# KiCad board JL-rev1.kicad_pcb (continued)
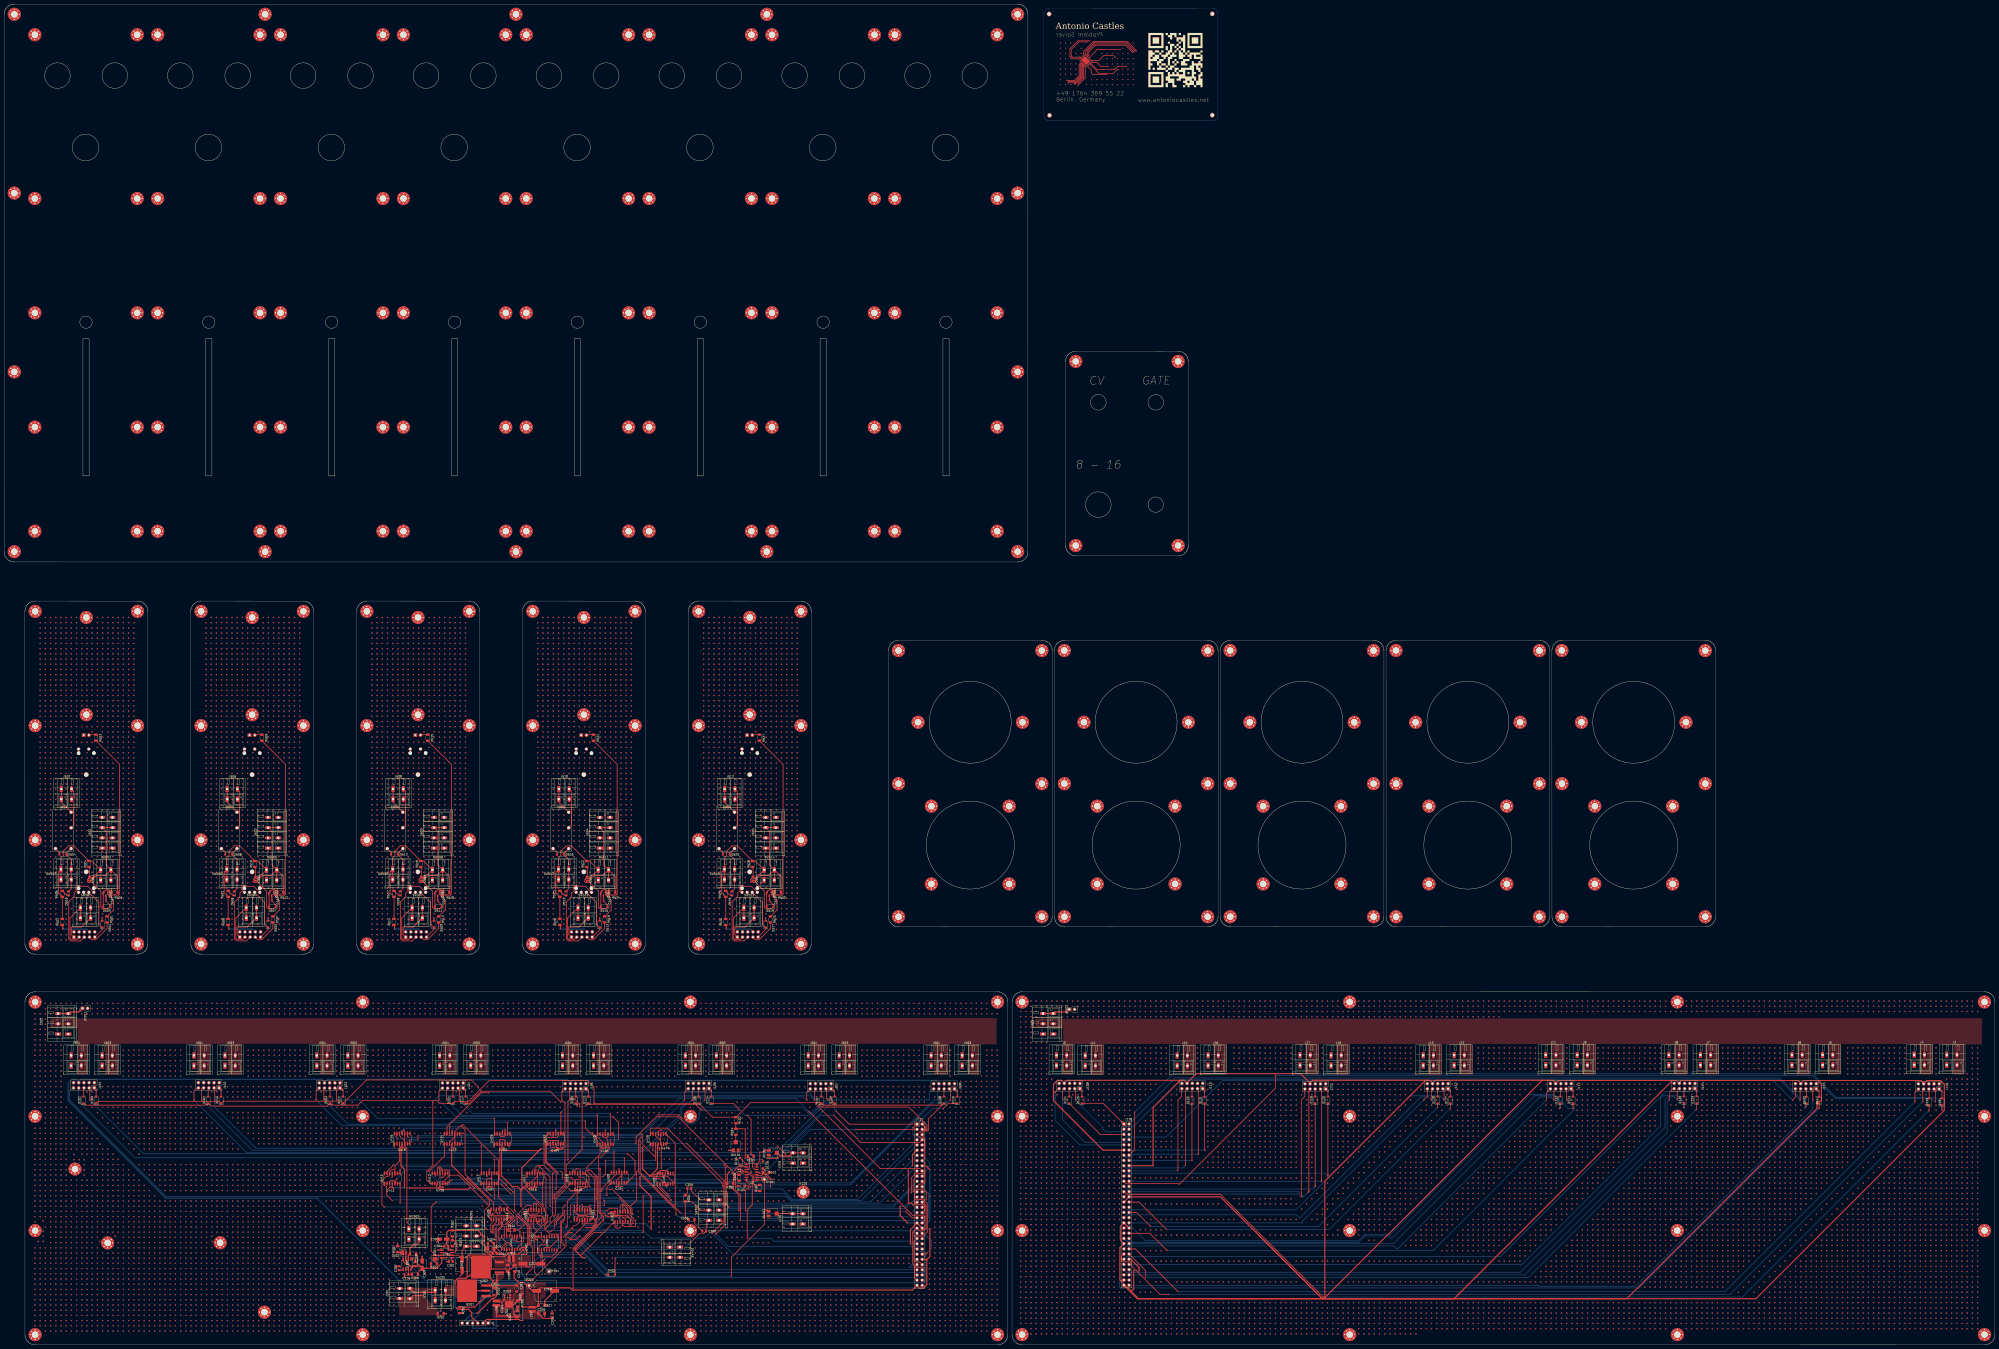
[diagram p0: board, top side]
## Placement (name value [footprint] x y rotation side) (continued)
H213  MountingHole  [MountingHole_3.2mm_M3_Pad_Via]  494.98 387.47 0 top
H214  MountingHole  [MountingHole_3.2mm_M3_Pad_Via]  127.48 649.97 0 top
H215  MountingHole  [MountingHole_3.2mm_M3_Pad_Via]  249.98 649.97 0 top
H216  MountingHole  [MountingHole_3.2mm_M3_Pad_Via]  372.48 649.97 0 top
H218  MountingHole  [MountingHole_3.2mm_M3_Pad_Via]  75.01 639.98 0 top
H219  MountingHole  [MountingHole_3.2mm_M3_Pad_Via]  125.01 639.98 0 top
H220  MountingHole  [MountingHole_3.2mm_M3_Pad_Via]  135.01 639.98 0 top
H221  MountingHole  [MountingHole_3.2mm_M3_Pad_Via]  185.01 639.98 0 top
H222  MountingHole  [MountingHole_3.2mm_M3_Pad_Via]  195.01 639.98 0 top
H223  MountingHole  [MountingHole_3.2mm_M3_Pad_Via]  245.01 639.98 0 top
H224  MountingHole  [MountingHole_3.2mm_M3_Pad_Via]  255.01 639.98 0 top
H225  MountingHole  [MountingHole_3.2mm_M3_Pad_Via]  305.01 639.98 0 top
H226  MountingHole  [MountingHole_3.2mm_M3_Pad_Via]  315.01 639.98 0 top
H227  MountingHole  [MountingHole_3.2mm_M3_Pad_Via]  365.01 639.98 0 top
H228  MountingHole  [MountingHole_3.2mm_M3_Pad_Via]  375.01 639.98 0 top
H229  MountingHole  [MountingHole_3.2mm_M3_Pad_Via]  425.01 639.98 0 top
H230  MountingHole  [MountingHole_3.2mm_M3_Pad_Via]  435.01 639.98 0 top
H231  MountingHole  [MountingHole_3.2mm_M3_Pad_Via]  485.01 639.98 0 top
H233  MountingHole  [MountingHole_3.2mm_M3_Pad_Via]  517.81 209.15 0 top
H234  MountingHole  [MountingHole_3.2mm_M3_Pad_Via]  587.81 209.15 0 top
H235  MountingHole  [MountingHole_3.2mm_M3_Pad_Via]  533.86 225.15 0 top
H236  MountingHole  [MountingHole_3.2mm_M3_Pad_Via]  571.86 225.15 0 top
H237  MountingHole  [MountingHole_3.2mm_M3_Pad_Via]  533.86 263.15 0 top
H238  MountingHole  [MountingHole_3.2mm_M3_Pad_Via]  571.86 263.15 0 top
H239  MountingHole  [MountingHole_3.2mm_M3_Pad_Via]  517.81 274.15 0 top
H240  MountingHole  [MountingHole_3.2mm_M3_Pad_Via]  587.81 274.15 0 top
H241  MountingHole  [MountingHole_3.2mm_M3_Pad_Via]  527.36 304.15 0 top
H242  MountingHole  [MountingHole_3.2mm_M3_Pad_Via]  578.36 304.15 0 top
H243  MountingHole  [MountingHole_3.2mm_M3_Pad_Via]  587.81 339.15 0 top
H244  MountingHole  [MountingHole_3.2mm_M3_Pad_Via]  517.76 339.21 0 top
H245  MountingHole  [MountingHole_3.2mm_M3_Pad_Via]  598.81 209.15 0 top
H246  MountingHole  [MountingHole_3.2mm_M3_Pad_Via]  668.81 209.15 0 top
H247  MountingHole  [MountingHole_3.2mm_M3_Pad_Via]  614.86 225.15 0 top
H248  MountingHole  [MountingHole_3.2mm_M3_Pad_Via]  652.86 225.15 0 top
H249  MountingHole  [MountingHole_3.2mm_M3_Pad_Via]  614.86 263.15 0 top
H250  MountingHole  [MountingHole_3.2mm_M3_Pad_Via]  652.86 263.15 0 top
H251  MountingHole  [MountingHole_3.2mm_M3_Pad_Via]  598.81 274.15 0 top
H252  MountingHole  [MountingHole_3.2mm_M3_Pad_Via]  668.81 274.15 0 top
H253  MountingHole  [MountingHole_3.2mm_M3_Pad_Via]  608.36 304.15 0 top
H254  MountingHole  [MountingHole_3.2mm_M3_Pad_Via]  659.36 304.15 0 top
H255  MountingHole  [MountingHole_3.2mm_M3_Pad_Via]  668.81 339.15 0 top
H256  MountingHole  [MountingHole_3.2mm_M3_Pad_Via]  598.76 339.21 0 top
H257  MountingHole  [MountingHole_3.2mm_M3_Pad_Via]  679.81 209.15 0 top
H258  MountingHole  [MountingHole_3.2mm_M3_Pad_Via]  749.81 209.15 0 top
H259  MountingHole  [MountingHole_3.2mm_M3_Pad_Via]  695.86 225.15 0 top
H260  MountingHole  [MountingHole_3.2mm_M3_Pad_Via]  733.86 225.15 0 top
H261  MountingHole  [MountingHole_3.2mm_M3_Pad_Via]  695.86 263.15 0 top
H262  MountingHole  [MountingHole_3.2mm_M3_Pad_Via]  733.86 263.15 0 top
H263  MountingHole  [MountingHole_3.2mm_M3_Pad_Via]  679.81 274.15 0 top
H264  MountingHole  [MountingHole_3.2mm_M3_Pad_Via]  749.81 274.15 0 top
H265  MountingHole  [MountingHole_3.2mm_M3_Pad_Via]  689.36 304.15 0 top
H266  MountingHole  [MountingHole_3.2mm_M3_Pad_Via]  740.36 304.15 0 top
H267  MountingHole  [MountingHole_3.2mm_M3_Pad_Via]  749.81 339.15 0 top
H268  MountingHole  [MountingHole_3.2mm_M3_Pad_Via]  679.76 339.21 0 top
H269  MountingHole  [MountingHole_3.2mm_M3_Pad_Via]  760.81 209.15 0 top
H270  MountingHole  [MountingHole_3.2mm_M3_Pad_Via]  830.81 209.15 0 top
H271  MountingHole  [MountingHole_3.2mm_M3_Pad_Via]  776.86 225.15 0 top
H272  MountingHole  [MountingHole_3.2mm_M3_Pad_Via]  814.86 225.15 0 top
H273  MountingHole  [MountingHole_3.2mm_M3_Pad_Via]  776.86 263.15 0 top
H274  MountingHole  [MountingHole_3.2mm_M3_Pad_Via]  814.86 263.15 0 top
H275  MountingHole  [MountingHole_3.2mm_M3_Pad_Via]  760.81 274.15 0 top
H276  MountingHole  [MountingHole_3.2mm_M3_Pad_Via]  830.81 274.15 0 top
H277  MountingHole  [MountingHole_3.2mm_M3_Pad_Via]  770.36 304.15 0 top
H278  MountingHole  [MountingHole_3.2mm_M3_Pad_Via]  821.36 304.15 0 top
H279  MountingHole  [MountingHole_3.2mm_M3_Pad_Via]  830.81 339.15 0 top
H280  MountingHole  [MountingHole_3.2mm_M3_Pad_Via]  760.76 339.21 0 top
H405  MountingHole  [MountingHole_3.2mm_M3_Pad_Via]  127.13 16 0 top
H407  MountingHole  [MountingHole_3.2mm_M3_Pad_Via]  34.63 85.9 0 top
H408  MountingHole  [MountingHole_3.2mm_M3_Pad_Via]  105.53 49.9 0 top
J1  Conn_01x06_Pin  [PinHeader_1x06_P2.54mm_Vertical]  236.44 10.63 270 top
J2  Screw_Terminal_01x02  [TerminalBlock_WAGO_236-402_1x02_P5.00mm_45Degree]  513.94 141.46 0 top
J3  Screw_Terminal_01x02  [TerminalBlock_WAGO_236-402_1x02_P5.00mm_45Degree]  948.74 141.76 0 top
J4  Screw_Terminal_01x02  [TerminalBlock_WAGO_236-402_1x02_P5.00mm_45Degree]  932.84 141.76 0 top
J5  Screw_Terminal_01x02  [TerminalBlock_WAGO_236-402_1x02_P5.00mm_45Degree]  888.09 141.66 0 top
J6  Screw_Terminal_01x02  [TerminalBlock_WAGO_236-402_1x02_P5.00mm_45Degree]  873.14 141.66 0 top
J7  Screw_Terminal_01x02  [TerminalBlock_WAGO_236-402_1x02_P5.00mm_45Degree]  828.44 141.66 0 top
J8  Screw_Terminal_01x02  [TerminalBlock_WAGO_236-402_1x02_P5.00mm_45Degree]  813.04 141.66 0 top
J9  Screw_Terminal_01x02  [TerminalBlock_WAGO_236-402_1x02_P5.00mm_45Degree]  768.24 141.66 0 top
J10  Screw_Terminal_01x02  [TerminalBlock_WAGO_236-402_1x02_P5.00mm_45Degree]  648.04 141.46 0 top
J11  Screw_Terminal_01x02  [TerminalBlock_WAGO_236-402_1x02_P5.00mm_45Degree]  752.89 141.66 0 top
J12  Screw_Terminal_01x02  [TerminalBlock_WAGO_236-402_1x02_P5.00mm_45Degree]  708.14 141.56 0 top
J13  Screw_Terminal_01x02  [TerminalBlock_WAGO_236-402_1x02_P5.00mm_45Degree]  693.04 141.46 0 top
J14  Screw_Terminal_01x02  [TerminalBlock_WAGO_236-402_1x02_P5.00mm_45Degree]  527.99 141.36 0 top
J15  Screw_Terminal_01x02  [TerminalBlock_WAGO_236-402_1x02_P5.00mm_45Degree]  572.89 141.36 0 top
J16  Screw_Terminal_01x02  [TerminalBlock_WAGO_236-402_1x02_P5.00mm_45Degree]  587.99 141.46 0 top
J17  Screw_Terminal_01x02  [TerminalBlock_WAGO_236-402_1x02_P5.00mm_45Degree]  632.89 141.56 0 top
J101  Conn_01x10  [PinSocket_2x05_P2.54mm_Vertical]  44.08 125.55 270 top
J102  Conn_01x10  [PinSocket_2x05_P2.54mm_Vertical]  105.08 125.55 270 top
J103  Conn_01x10  [PinSocket_2x05_P2.54mm_Vertical]  164.08 125.45 270 top
J104  Conn_01x10  [PinSocket_2x05_P2.54mm_Vertical]  224.24 125.41 270 top
J105  Conn_01x10  [PinSocket_2x05_P2.54mm_Vertical]  284.18 125.11 270 top
J106  Conn_01x10  [PinSocket_2x05_P2.54mm_Vertical]  344.28 125.21 270 top
J107  Conn_01x10  [PinSocket_2x05_P2.54mm_Vertical]  403.88 125.05 270 top
J108  Conn_01x10  [PinSocket_2x05_P2.54mm_Vertical]  464.16 125.05 270 top
J109  Conn_01x10  [PinSocket_2x05_P2.54mm_Vertical]  525.41 125.18 270 top
J110  Conn_01x10  [PinSocket_2x05_P2.54mm_Vertical]  585.37 125.18 270 top
J111  Conn_01x10  [PinSocket_2x05_P2.54mm_Vertical]  645.43 124.98 270 top
J112  Conn_01x10  [PinSocket_2x05_P2.54mm_Vertical]  705.21 125.08 270 top
J113  Conn_01x10  [PinSocket_2x05_P2.54mm_Vertical]  765.35 125.08 270 top
J114  Conn_01x10  [PinSocket_2x05_P2.54mm_Vertical]  825.8 125.19 270 top
J115  Conn_01x10  [PinSocket_2x05_P2.54mm_Vertical]  885 125.09 270 top
J116  Conn_01x10  [PinSocket_2x05_P2.54mm_Vertical]  945.07 124.98 270 top
J117  Conn_02x32_Odd_Even  [PinHeader_2x32_P2.54mm_Vertical]  445.84 107.82 0 top
J118  Conn_02x32_Odd_Even  [PinHeader_2x32_P2.54mm_Vertical]  546.87 107.89 0 top
J119  AudioJack2  [TerminalBlock_WAGO_236-402_1x02_P5.00mm_45Degree]  385.19 88.8 90 top
J120  AudioJack2  [TerminalBlock_WAGO_236-402_1x02_P5.00mm_45Degree]  385.04 59.07 90 top
J201  Screw_Terminal_01x02  [TerminalBlock_WAGO_236-402_1x02_P5.00mm_45Degree]  193.19 22.6 90 top
J202  Screw_Terminal_01x03  [TerminalBlock_WAGO_236-403_1x03_P5.00mm_45Degree]  26.35 151.84 90 top
J203  Screw_Terminal_01x03  [TerminalBlock_WAGO_236-403_1x03_P5.00mm_45Degree]  507.38 151.87 90 top
J501  Conn_01x10  [PinSocket_2x05_P2.54mm_Vertical]  34.1 199.2 270 bottom
J502  Screw_Terminal_01x02  [TerminalBlock_WAGO_236-402_1x02_P5.00mm_45Degree]  27.93 271.58 0 top
J503  Screw_Terminal_01x02  [TerminalBlock_WAGO_236-402_1x02_P5.00mm_45Degree]  287.87 141.4 0 top
J503#2  Screw_Terminal_01x02  [TerminalBlock_WAGO_236-402_1x02_P5.00mm_45Degree]  347.87 141.4 0 top
J503#3  Screw_Terminal_01x02  [TerminalBlock_WAGO_236-402_1x02_P5.00mm_45Degree]  467.87 141.4 0 top
J503#4  Screw_Terminal_01x02  [TerminalBlock_WAGO_236-402_1x02_P5.00mm_45Degree]  407.87 141.4 0 top
J503#5  Screw_Terminal_01x02  [TerminalBlock_WAGO_236-402_1x02_P5.00mm_45Degree]  47.87 141.4 0 top
J503#6  Screw_Terminal_01x02  [TerminalBlock_WAGO_236-402_1x02_P5.00mm_45Degree]  107.87 141.4 0 top
J503#7  Screw_Terminal_01x02  [TerminalBlock_WAGO_236-402_1x02_P5.00mm_45Degree]  227.87 141.4 0 top
J503#8  Screw_Terminal_01x02  [TerminalBlock_WAGO_236-402_1x02_P5.00mm_45Degree]  167.87 141.4 0 top
J504  Screw_Terminal_01x02  [TerminalBlock_WAGO_236-402_1x02_P5.00mm_45Degree]  452.72 141.4 0 top
J504#2  Screw_Terminal_01x02  [TerminalBlock_WAGO_236-402_1x02_P5.00mm_45Degree]  212.72 141.4 0 top
J504#3  Screw_Terminal_01x02  [TerminalBlock_WAGO_236-402_1x02_P5.00mm_45Degree]  332.72 141.4 0 top
J504#4  Screw_Terminal_01x02  [TerminalBlock_WAGO_236-402_1x02_P5.00mm_45Degree]  92.72 141.4 0 top
J504#5  Screw_Terminal_01x02  [TerminalBlock_WAGO_236-402_1x02_P5.00mm_45Degree]  32.72 141.4 0 top
J504#6  Screw_Terminal_01x02  [TerminalBlock_WAGO_236-402_1x02_P5.00mm_45Degree]  152.72 141.4 0 top
J504#7  Screw_Terminal_01x02  [TerminalBlock_WAGO_236-402_1x02_P5.00mm_45Degree]  272.72 141.4 0 top
J504#8  Screw_Terminal_01x02  [TerminalBlock_WAGO_236-402_1x02_P5.00mm_45Degree]  392.72 141.4 0 top
J505  Conn_01x10  [PinSocket_2x05_P2.54mm_Vertical]  115.1 199.2 270 bottom
J506  Screw_Terminal_01x02  [TerminalBlock_WAGO_236-402_1x02_P5.00mm_45Degree]  108.93 271.58 0 top
J507  Conn_01x10  [PinSocket_2x05_P2.54mm_Vertical]  196.1 199.2 270 bottom
J508  Screw_Terminal_01x02  [TerminalBlock_WAGO_236-402_1x02_P5.00mm_45Degree]  189.93 271.58 0 top
J509  Conn_01x10  [PinSocket_2x05_P2.54mm_Vertical]  277.1 199.2 270 bottom
J510  Screw_Terminal_01x02  [TerminalBlock_WAGO_236-402_1x02_P5.00mm_45Degree]  270.93 271.58 0 top
J511  Conn_01x10  [PinSocket_2x05_P2.54mm_Vertical]  358.1 199.2 270 bottom
J512  Screw_Terminal_01x02  [TerminalBlock_WAGO_236-402_1x02_P5.00mm_45Degree]  351.93 271.58 0 top
JP201  Jumper_2_Open  [PinHeader_1x02_P2.54mm_Vertical]  38.23 164.39 90 top
JP202  Jumper_2_Open  [PinHeader_1x02_P2.54mm_Vertical]  520.25 163.88 90 top
K501  ALQ305  [RELAY_ALQ3_PAN]  27.66 250.06 180 top
K502  ALQ305  [RELAY_ALQ3_PAN]  108.66 250.06 180 top
K503  ALQ305  [RELAY_ALQ3_PAN]  189.66 250.06 180 top
K504  ALQ305  [RELAY_ALQ3_PAN]  270.66 250.06 180 top
K505  ALQ305  [RELAY_ALQ3_PAN]  351.66 250.06 180 top
L201  4.7uH  [L_Wuerth_MAPI-3015]  240.44 20.39 270 top
L202  L  [L_Wuerth_MAPI-3015]  257.87 17.4 90 top
L203  L  [L_Wuerth_MAPI-3015]  247.69 42.03 0 top
Q201  IRF5305-Reverse-Polarity  [TO-263-3_TabPin2]  227.62 26.48 180 top
Q501  BC817  [SOT-23]  49.68 220.33 270 top
Q502  BC817  [SOT-23]  130.68 220.33 270 top
Q503  BC817  [SOT-23]  211.68 220.33 270 top
Q504  BC817  [SOT-23]  292.68 220.33 270 top
Q505  BC817  [SOT-23]  373.68 220.33 270 top
R101  R_US  [R_1206_3216Metric]  371.96 84.23 180 top
R102  0R  [R_1206_3216Metric]  357.44 109.77 270 top
R103  R_US  [R_1206_3216Metric]  364.62 92.1 180 top
R104  0R  [R_1206_3216Metric]  357.34 104.12 90 top
R105  R_US  [R_1206_3216Metric]  354.64 78.8 180 top
R106  R_US  [R_1206_3216Metric]  358.89 81.62 270 top
R107  R_US  [R_1206_3216Metric]  369.04 76.68 90 top
R201  0  [R_1206_3216Metric]  213.23 15.25 180 top
R202  100K  [R_1206_3216Metric]  222.44 16.97 270 top
R203  R_US  [R_1206_3216Metric]  250.37 27.62 90 top
R204  R_US  [R_1206_3216Metric]  237.7 49.48 180 top
R205  R_US  [R_1206_3216Metric]  250.87 20.15 270 top
R301  R_US  [R_1206_3216Metric]  209.94 39.69 0 top
R302  R_US  [R_1206_3216Metric]  218.94 54.48 90 top
R303  R_US  [R_1206_3216Metric]  218.94 49.65 90 top
R304  R_US  [R_1206_3216Metric]  332.64 71.55 270 top
R305  R_US  [R_1206_3216Metric]  335.72 61.16 180 top
R306  R_US  [R_1206_3216Metric]  199.69 44.5 0 top
R307  R_US  [R_1206_3216Metric]  192.19 46.75 270 top
R308  R_US  [R_1206_3216Metric]  200.65 34.5 0 top
R401  R_US  [R_1206_3216Metric]  247.81 56.14 180 top
R501  R_US  [R_1206_3216Metric]  50.28 207.84 90 top
R502  R_US  [R_1206_3216Metric]  28.36 206.62 90 top
R503  R_US  [R_1206_3216Metric]  44.88 296.6 270 top
R504  R_US  [R_1206_3216Metric]  41.48 234.9 90 top
R505  R_US  [R_1206_3216Metric]  28.43 220.32 90 top
R506  R_US  [R_1206_3216Metric]  53.96 221.08 0 top
R507  R_US  [R_1206_3216Metric]  131.28 207.84 90 top
R508  R_US  [R_1206_3216Metric]  109.36 206.62 90 top
R509  R_US  [R_1206_3216Metric]  125.88 296.6 270 top
R510  R_US  [R_1206_3216Metric]  122.48 234.9 90 top
R511  R_US  [R_1206_3216Metric]  109.43 220.32 90 top
R512  R_US  [R_1206_3216Metric]  134.96 221.08 0 top
R513  R_US  [R_1206_3216Metric]  212.28 207.84 90 top
R514  R_US  [R_1206_3216Metric]  190.36 206.62 90 top
R515  R_US  [R_1206_3216Metric]  206.88 296.6 270 top
R516  R_US  [R_1206_3216Metric]  203.48 234.9 90 top
R517  R_US  [R_1206_3216Metric]  190.43 220.32 90 top
R518  R_US  [R_1206_3216Metric]  215.96 221.08 0 top
R519  R_US  [R_1206_3216Metric]  293.28 207.84 90 top
R520  R_US  [R_1206_3216Metric]  271.36 206.62 90 top
R521  R_US  [R_1206_3216Metric]  287.88 296.6 270 top
R522  R_US  [R_1206_3216Metric]  284.48 234.9 90 top
R523  R_US  [R_1206_3216Metric]  271.43 220.32 90 top
R524  R_US  [R_1206_3216Metric]  296.96 221.08 0 top
R525  R_US  [R_1206_3216Metric]  374.28 207.84 90 top
R526  R_US  [R_1206_3216Metric]  352.36 206.62 90 top
R527  R_US  [R_1206_3216Metric]  368.88 296.6 270 top
R528  R_US  [R_1206_3216Metric]  365.48 234.9 90 top
R529  R_US  [R_1206_3216Metric]  352.43 220.32 90 top
R530  R_US  [R_1206_3216Metric]  377.96 221.08 0 top
REF**  -  [TARJETA]  527.76 642.9 0 top
RV101  R_Potentiometer_US  [Potentiometer_Bourns_3314J_Vertical]  357.34 97.02 180 top
RV102  R_Potentiometer_US  [Potentiometer_Bourns_3314J_Vertical]  375.44 93.8 90 top
RV103  R_Potentiometer_US  [Potentiometer_Bourns_3314J_Vertical]  375.34 64.12 90 top
RV301  R_Potentiometer_US  [TerminalBlock_WAGO_236-403_1x03_P5.00mm_45Degree]  225.69 48.19 90 top
RV501  R_Potentiometer_US  [POT_SEGOR_10K]  40.12 256.08 90 bottom
RV502  R_Potentiometer_US  [POT_SEGOR_10K]  121.12 256.08 90 bottom
RV503  R_Potentiometer_US  [POT_SEGOR_10K]  202.12 256.08 90 bottom
RV504  R_Potentiometer_US  [POT_SEGOR_10K]  283.12 256.08 90 bottom
RV505  R_Potentiometer_US  [POT_SEGOR_10K]  364.12 256.08 90 bottom
SW201  SW_SPST  [TerminalBlock_WAGO_236-402_1x02_P5.00mm_45Degree]  210.54 26.75 0 top
SW301  SW_SPDT  [TerminalBlock_WAGO_236-403_1x03_P5.00mm_45Degree]  344.14 60.83 90 top
SW302  SW_Push  [TerminalBlock_WAGO_236-402_1x02_P5.00mm_45Degree]  197.68 56.7 0 top
SW401  SW_SPST  [TerminalBlock_WAGO_236-402_1x02_P5.00mm_45Degree]  330.09 47.77 270 top
SW501  SW_Push  [TerminalBlock_WAGO_236-402_1x02_P5.00mm_45Degree]  37.28 213.58 0 top
SW502  SW_SPST  [TerminalBlock_WAGO_236-402_1x02_P5.00mm_45Degree]  47.18 232.08 0 top
SW503  SW_SPST  [TerminalBlock_WAGO_236-402_1x02_P5.00mm_45Degree]  27.78 232.33 0 top
SW504  SW_Push  [TerminalBlock_WAGO_236-402_1x02_P5.00mm_45Degree]  118.28 213.58 0 top
SW505  SW_SPST  [TerminalBlock_WAGO_236-402_1x02_P5.00mm_45Degree]  128.18 232.08 0 top
SW506  SW_SPST  [TerminalBlock_WAGO_236-402_1x02_P5.00mm_45Degree]  108.78 232.33 0 top
SW507  SW_Push  [TerminalBlock_WAGO_236-402_1x02_P5.00mm_45Degree]  199.28 213.58 0 top
SW508  SW_SPST  [TerminalBlock_WAGO_236-402_1x02_P5.00mm_45Degree]  209.18 232.08 0 top
SW509  SW_SPST  [TerminalBlock_WAGO_236-402_1x02_P5.00mm_45Degree]  189.78 232.33 0 top
SW510  SW_Push  [TerminalBlock_WAGO_236-402_1x02_P5.00mm_45Degree]  280.28 213.58 0 top
SW511  SW_SPST  [TerminalBlock_WAGO_236-402_1x02_P5.00mm_45Degree]  290.18 232.08 0 top
SW512  SW_SPST  [TerminalBlock_WAGO_236-402_1x02_P5.00mm_45Degree]  270.78 232.33 0 top
SW513  SW_Push  [TerminalBlock_WAGO_236-402_1x02_P5.00mm_45Degree]  361.28 213.58 0 top
SW514  SW_SPST  [TerminalBlock_WAGO_236-402_1x02_P5.00mm_45Degree]  371.18 232.08 0 top
SW515  SW_SPST  [TerminalBlock_WAGO_236-402_1x02_P5.00mm_45Degree]  351.78 232.33 0 top
TP203  TestPoint  [TestPoint_Loop_D1.80mm_Drill1.0mm_Beaded]  256.37 28.98 0 top
TP204  TestPoint  [TestPoint_Loop_D1.80mm_Drill1.0mm_Beaded]  266.12 35.9 0 top
TP401  TestPoint  [TestPoint_Loop_D1.80mm_Drill1.0mm_Beaded]  371.29 80.9 0 top
U2  TL074  [SOIC-14_3.9x8.7mm_P1.27mm]  365.03 84.42 180 top
U201  LM2675-5-WSON-16  [WSON-16-1EP_5.0x5.0mm_P0.5mm_EP2.6x2.6mm]  246.27 19.75 90 top
U202  L7806  [TO-263-2]  234.32 37.9 180 top
U301  LMC555xM  [SOIC-8_3.9x4.9mm_P1.27mm]  216.19 44.44 0 top
U302  LMC555xM  [SOIC-8_3.9x4.9mm_P1.27mm]  196.79 39.48 270 top
U401  SN74HC08  [SOIC-14_3.9x8.7mm_P1.27mm]  322.91 81.18 90 top
U402  SN74HC08  [SOIC-14_3.9x8.7mm_P1.27mm]  282.33 63.53 270 top
U403  SN74HC08  [SOIC-14_3.9x8.7mm_P1.27mm]  259.92 63.35 90 top
U404  4017  [SOP-16_4.55x10.3mm_P1.27mm]  247.44 49.9 270 top
U405  SN74HC08  [SOIC-14_3.9x8.7mm_P1.27mm]  241.63 63.83 270 top
U406  4017  [SOP-16_4.55x10.3mm_P1.27mm]  265.62 49.65 90 top
U407  SN74HC08  [SOIC-14_3.9x8.7mm_P1.27mm]  302.12 62.55 90 top
U408  TL074  [SOIC-14_3.9x8.7mm_P1.27mm]  300.32 81.68 90 top
U409  TL074  [SOIC-14_3.9x8.7mm_P1.27mm]  243.33 100.68 90 top
U410  TL074  [SOIC-14_3.9x8.7mm_P1.27mm]  293.63 100.48 90 top
U411  TL074  [SOIC-14_3.9x8.7mm_P1.27mm]  236.9 81.4 90 top
U412  TL074  [SOIC-14_3.9x8.7mm_P1.27mm]  269.36 100.73 90 top
U413  TL074  [SOIC-14_3.9x8.7mm_P1.27mm]  212.88 81.38 90 top
U414  TL074  [SOIC-14_3.9x8.7mm_P1.27mm]  218.81 100.63 90 top
U415  TL074  [SOIC-14_3.9x8.7mm_P1.27mm]  189.54 81.33 90 top
U416  TL074  [SOIC-14_3.9x8.7mm_P1.27mm]  194.41 100.78 90 top
U417  TL074  [SOIC-14_3.9x8.7mm_P1.27mm]  259.16 81.28 90 top
U418  TL074  [SOIC-14_3.9x8.7mm_P1.27mm]  280.08 81.43 90 top
U419  TL074  [SOIC-14_3.9x8.7mm_P1.27mm]  319.51 100.58 90 top
U501  AQ-A_Solid_State_Relay  [TerminalBlock_WAGO_236-404_1x04_P5.00mm_45Degree]  47.93 242.68 90 top
U502  AQ-A_Solid_State_Relay  [TerminalBlock_WAGO_236-404_1x04_P5.00mm_45Degree]  128.93 242.68 90 top
U503  AQ-A_Solid_State_Relay  [TerminalBlock_WAGO_236-404_1x04_P5.00mm_45Degree]  209.93 242.68 90 top
U504  AQ-A_Solid_State_Relay  [TerminalBlock_WAGO_236-404_1x04_P5.00mm_45Degree]  290.93 242.68 90 top
U505  AQ-A_Solid_State_Relay  [TerminalBlock_WAGO_236-404_1x04_P5.00mm_45Degree]  371.93 242.68 90 top

## Library data of the parts
C1 C202 C204 C301 C304-C307 C309 C310 C401-C419 = -: Description: Unpolarized capacitor
C201 = -: Description: Unpolarized capacitor; Digi-Key_PN: 1276-1079-1-ND; Manufacturer_PN: CL31A106KQHNNNE
C203 = -: Description: Unpolarized capacitor; Digi-Key_PN: 478-1542-1-ND; Manufacturer_PN: 12065C103KAT2A
C205 = -: Description: Unpolarized capacitor; Digi-Key_PN: 1276-2728-1-ND; Manufacturer_PN: CL31A226MOCLNNC
C206 C207 C209 C210 = -: Description: Unpolarized capacitor; Digi-Key_PN: 1276-1017-1-ND; Manufacturer_PN: CL31B104KBCNNNC
C208 C211 C302 C303 C308 = -: Description: Polarized capacitor
C501-C515 = -: Description: Unpolarized capacitor; Channel: 0
D101-D135 D401 = -: Description: Diode; Sim.Pins: 1=K 2=A
D201 = -: Description: ESD Protection Diode, SOD-523
D202 = -: Description: Schottky diode; Digi-Key_PN: BZT52C10-TPMSCT-ND; Manufacturer_PN: BZT52C10-TP
D203 = -: Description: Schottky diode; Digi-Key_PN: B230AF-13DICT-ND; Manufacturer_PN: B230AF-13
D204 D205 = -: Description: Light emitting diode; Digi-Key_PN: 160-1406-1-ND; Manufacturer_PN: LTST-C150KSKT
D301 D302 = -: Description: Light emitting diode
D501 D503-D505 D507-D509 D511-D513 D515-D517 D519 D520 = -: Description: Diode; Channel: 0; Sim.Pins: 1=K 2=A
D502 D506 D510 D514 D518 = -: Description: Light emitting diode; Channel: 0
H102 H108 H108#2-H108#69 H109-H188 H188#2 H189-H191 H191#2 H192-H216 H218-H231 H233-H280 H405 H407 H408 = -: Description: Mounting Hole without connection
J1 = -: Description: Generic connector, single row, 01x06, script generated
J2-J17 J201 = -: Description: Generic screw terminal, single row, 01x02, script generated (kicad-library-utils/schlib/autogen/connector/)
J101-J116 = -: Description: Generic connector, single row, 01x10, script generated (kicad-library-utils/schlib/autogen/connector/)
J117 J118 = -: Description: Generic connector, double row, 02x32, odd/even pin numbering scheme (row 1 odd numbers, row 2 even numbers), script generated (kicad-library-utils/schlib/autogen/connector/)
J119 J120 = -: Description: Audio Jack, 2 Poles (Mono / TS)
J202 J203 = -: Description: Generic screw terminal, single row, 01x03, script generated (kicad-library-utils/schlib/autogen/connector/)
J501 J505 J507 J509 J511 = -: Description: Generic connector, single row, 01x10, script generated (kicad-library-utils/schlib/autogen/connector/); Channel: 0
J502 J503 J503#2-J503#8 J504 J504#2-J504#8 J506 J508 J510 J512 = -: Description: Generic screw terminal, single row, 01x02, script generated (kicad-library-utils/schlib/autogen/connector/); Channel: 0
JP201 JP202 = -: Description: Jumper, 2-pole, open
K501-K505 U501-U505 = -: Channel: 0
L201 = -: Description: Inductor; Digi-Key_PN: 445-2026-1-ND; Manufacturer_PN: SLF7045T-4R7M2R0-PF
L202 L203 = -: Description: Inductor; Digi-Key_PN: 308-0640CDMCCDS-R15MCCT-ND; Manufacturer_PN: 0640CDMCCDS-R15MC
Q201 = -: Digi-Key_PN: IRF5305STRLPBFCT-ND; Manufacturer_PN: IRF5305STRLPBF
Q501-Q505 = -: Description: 0.8A Ic, 45V Vce, NPN Transistor, SOT-23; Channel: 0
R101-R107 R203-R205 R301-R308 R401 = -: Description: Resistor, US symbol
R201 = -: Description: Resistor; Digi-Key_PN: RMCF1206ZT0R00CT-ND; Manufacturer_PN: RMCF1206ZT0R00
R202 = -: Description: Resistor; Digi-Key_PN: 311-100KERCT-ND; Manufacturer_PN: RC1206JR-07100KL
R501-R530 = -: Description: Resistor, US symbol; Channel: 0
RV101-RV103 RV301 = -: Description: Potentiometer, US symbol
RV501-RV505 = -: Description: Potentiometer, US symbol; Channel: 0
SW201 SW401 = -: Description: Single Pole Single Throw (SPST) switch
SW301 = -: Description: Switch, single pole double throw
SW302 = -: Description: Push button switch, generic, two pins
SW501 SW504 SW507 SW510 SW513 = -: Description: Push button switch, generic, two pins; Channel: 0
SW502 SW503 SW505 SW506 SW508 SW509 SW511 SW512 SW514 SW515 = -: Description: Single Pole Single Throw (SPST) switch; Channel: 0
TP203 TP204 TP401 = -: Description: test point
U2 U408-U419 = -: Description: Quad Low-Noise JFET-Input Operational Amplifiers, DIP-14/SOIC-14
U201 = -: Description: 5V, 1A Step-Down Voltage Regulator, SO-8
U202 = -: Description: Positive 1.5A 35V Linear Regulator, Fixed Output 6V, TO-220/TO-263/TO-252
U301 U302 = -: Description: CMOS Timer, 555 compatible, SOIC-8
U401-U403 U405 U407 = -: Description: Quad And 2 inputs
U404 U406 = -: Description: Johnson Counter ( 10 outputs )

## Footprints (pads in the part's own frame, mm; a bottom-side part is the same pattern mirrored in y, then rotated)
C_0402_1005Metric
  rrect 0.56x0.62 smd: 1(-0.48,0) 2(0.48,0)
C_0805_2012Metric
  rrect 1x1.45 smd: 1(-0.95,0) 2(0.95,0)
C_1206_3216Metric_Pad1.33x1.80mm_HandSolder
  rrect 1.325x1.8 smd: 1(-1.562,0) 2(1.562,0)
CP_Elec_4x4.5
  rrect 2.6x1.6 smd: 1(-1.8,0) 2(1.8,0)
CP_Elec_6.3x7.7
  rrect 3.5x1.6 smd: 1(-2.7,0) 2(2.7,0)
CP_Elec_10x12.6
  rrect 4.4x1.9 smd: 1(-4.35,0) 2(4.35,0)
D_SOD-123
  rrect 0.9x1.2 smd: 1(-1.65,0) 2(1.65,0)
D_SOD-123F
  rrect 1.1x1.1 smd: 1(-1.4,0) 2(1.4,0)
D_SOD-523
  rrect 0.6x0.7 smd: 1(-0.7,0) 2(0.7,0)
L_Wuerth_MAPI-3015
  rect 1.3x3.4 smd: 1(-1.05,0) 2(1.05,0)
LED_1206_3216Metric_Pad1.42x1.75mm_HandSolder
  rrect 1.425x1.75 smd: 1(-1.488,0) 2(1.488,0)
LED_D5.0mm
  rect 1.8x1.8 hole 0.9: 1(0,0)
  round 1.8 hole 0.9: 2(2.54,0)
LED_Luminus_MP-3030-1100_3.0x3.0mm
  rect 1.3x1.9 smd: (-0.575,0)
  rect 0.4x1.9 smd: (1.075,0)
  rect 1.6x2.4 smd: 1(-0.575,0)
  rect 0.6x2.4 smd: 2(1.075,0)
  rect 0.6x0.5 smd: 2(1.375,0)
MountingHole_3.2mm_M3_Pad_Via
  round 0.8 hole 0.5: 1(-2.4,0) 1(-1.697,1.697) 1(-1.697,-1.697) 1(0,2.4) 1(0,-2.4) 1(1.697,1.697) 1(1.697,-1.697) 1(2.4,0)
  round 6.4 hole 3.2: 1(0,0)
PinHeader_1x02_P2.54mm_Vertical
  rect 1.7x1.7 hole 1: 1(0,0)
  oval 1.7x1.7 hole 1: 2(0,-2.54)
PinHeader_1x06_P2.54mm_Vertical
  rect 1.7x1.7 hole 1: 1(0,0)
  oval 1.7x1.7 hole 1: 2(0,-2.54) 3(0,-5.08) 4(0,-7.62) 5(0,-10.16) 6(0,-12.7)
PinHeader_2x32_P2.54mm_Vertical
  rect 1.7x1.7 hole 1: 1(0,0)
  oval 1.7x1.7 hole 1: 2(2.54,0) 3(0,-2.54) 4(2.54,-2.54) 5(0,-5.08) 6(2.54,-5.08) 7(0,-7.62) 8(2.54,-7.62) 9(0,-10.16) 10(2.54,-10.16) 11(0,-12.7) 12(2.54,-12.7) 13(0,-15.24) 14(2.54,-15.24) 15(0,-17.78) 16(2.54,-17.78) 17(0,-20.32) 18(2.54,-20.32) 19(0,-22.86) 20(2.54,-22.86) 21(0,-25.4) 22(2.54,-25.4) 23(0,-27.94) 24(2.54,-27.94) 25(0,-30.48) 26(2.54,-30.48) 27(0,-33.02) 28(2.54,-33.02) 29(0,-35.56) 30(2.54,-35.56) 31(0,-38.1) 32(2.54,-38.1) 33(0,-40.64) 34(2.54,-40.64) 35(0,-43.18) 36(2.54,-43.18) 37(0,-45.72) 38(2.54,-45.72) 39(0,-48.26) 40(2.54,-48.26) 41(0,-50.8) 42(2.54,-50.8) 43(0,-53.34) 44(2.54,-53.34) 45(0,-55.88) 46(2.54,-55.88) 47(0,-58.42) 48(2.54,-58.42) 49(0,-60.96) 50(2.54,-60.96) 51(0,-63.5) 52(2.54,-63.5) 53(0,-66.04) 54(2.54,-66.04) 55(0,-68.58) 56(2.54,-68.58) 57(0,-71.12) 58(2.54,-71.12) 59(0,-73.66) 60(2.54,-73.66) 61(0,-76.2) 62(2.54,-76.2) 63(0,-78.74) 64(2.54,-78.74)
PinSocket_2x05_P2.54mm_Vertical
  rect 1.7x1.7 hole 1: 1(0,0)
  oval 1.7x1.7 hole 1: 2(-2.54,0) 3(0,-2.54) 4(-2.54,-2.54) 5(0,-5.08) 6(-2.54,-5.08) 7(0,-7.62) 8(-2.54,-7.62) 9(0,-10.16) 10(-2.54,-10.16)
POT_SEGOR_10K
  round 1.7 hole 1.7 unplated: (-33,-3.75) (-33,3.75) (33,-3.75) (33,3.75)
  round 1.7 hole 1.2: 1(-35,1.25) 2(-35,3.75) 3(35,1.25) L(-35,-3.75) L(-35,-1.25) L(35,-3.75)
  round 2.4 hole 2: L(-25,0) L(22.5,0)
Potentiometer_Bourns_3314J_Vertical
  rrect 1.3x2 smd: 1(-1.15,2) 3(1.15,2)
  rrect 2x2 smd: 2(0,-2)
R_1206_3216Metric
  rrect 1.125x1.75 smd: 1(-1.462,0) 2(1.462,0)
RELAY_ALQ3_PAN
  round 1.803 hole 1.295: 1(-5.08,7.62) 2(2.54,7.62) 3(-5.08,-2.54) 4(-5.08,-10.16)
SOIC-8_3.9x4.9mm_P1.27mm
  rrect 1.95x0.6 smd: 1(-2.475,1.905) 2(-2.475,0.635) 3(-2.475,-0.635) 4(-2.475,-1.905) 5(2.475,-1.905) 6(2.475,-0.635) 7(2.475,0.635) 8(2.475,1.905)
SOIC-14_3.9x8.7mm_P1.27mm
  rrect 1.95x0.6 smd: 1(-2.475,3.81) 2(-2.475,2.54) 3(-2.475,1.27) 4(-2.475,0) 5(-2.475,-1.27) 6(-2.475,-2.54) 7(-2.475,-3.81) 8(2.475,-3.81) 9(2.475,-2.54) 10(2.475,-1.27) 11(2.475,0) 12(2.475,1.27) 13(2.475,2.54) 14(2.475,3.81)
SOP-16_4.55x10.3mm_P1.27mm
  rrect 1.6x0.6 smd: 1(-3.25,4.445) 2(-3.25,3.175) 3(-3.25,1.905) 4(-3.25,0.635) 5(-3.25,-0.635) 6(-3.25,-1.905) 7(-3.25,-3.175) 8(-3.25,-4.445) 9(3.25,-4.445) 10(3.25,-3.175) 11(3.25,-1.905) 12(3.25,-0.635) 13(3.25,0.635) 14(3.25,1.905) 15(3.25,3.175) 16(3.25,4.445)
SOT-23
  rrect 1.475x0.6 smd: 1(-0.938,0.95) 2(-0.938,-0.95) 3(0.938,0)
TARJETA
  round 2.286 hole 1.7 unplated: (-17.4,7.2) (-17.2,-42.3) (62.3,7.3) (62.3,-42.2)
  rrect 1.07x0.98 smd rot 45: (-0.983,-15.145) (-0.12,-16.008) (-0.05,-14.212) (0.742,-16.871) (0.813,-15.075) (1.676,-15.937)
  rrect 0.85x0.25 smd rot 45: 1(-2.27,-15.683) 2(-1.916,-16.036) 3(-1.563,-16.39) 4(-1.209,-16.743) 5(-0.856,-17.097) 6(-0.502,-17.45) 7(-0.149,-17.804) 8(0.205,-18.158) 15(2.963,-15.4) 16(2.609,-15.046) 17(2.256,-14.693) 18(1.902,-14.339) 19(1.549,-13.986) 20(1.195,-13.632) 21(0.841,-13.278) 22(0.488,-12.925)
  rrect 0.25x0.85 smd rot 45: 9(1.195,-18.158) 10(1.549,-17.804) 11(1.902,-17.45) 12(2.256,-17.097) 13(2.609,-16.743) 14(2.963,-16.39) 23(-0.502,-12.925) 24(-0.856,-13.278) 25(-1.209,-13.632) 26(-1.563,-13.986) 27(-1.916,-14.339) 28(-2.27,-14.693)
  rect 2.65x3.65 smd rot 45: 29(0.346,-15.541)
TerminalBlock_WAGO_236-402_1x02_P5.00mm_45Degree
  rect 1.5x3 hole 1.15: 1(0,0) 1(0,-5)
  oval 1.5x3 hole 1.15: 2(5,0) 2(5,-5)
TerminalBlock_WAGO_236-403_1x03_P5.00mm_45Degree
  rect 1.5x3 hole 1.15: 1(0,0) 1(0,-5)
  oval 1.5x3 hole 1.15: 2(5,0) 2(5,-5) 3(10,0) 3(10,-5)
TerminalBlock_WAGO_236-404_1x04_P5.00mm_45Degree
  rect 1.5x3 hole 1.15: 1(0,0) 1(0,-5)
  oval 1.5x3 hole 1.15: 2(5,0) 2(5,-5) 3(10,0) 3(10,-5) 4(15,0) 4(15,-5)
TestPoint_Loop_D1.80mm_Drill1.0mm_Beaded
  round 2 hole 1: 1(0,0)
TO-263-2
  rrect 4.6x1.1 smd: 1(-7.65,2.54) 3(-7.65,-2.54)
  rrect 4.55x5.25 smd: 2(-0.925,2.775) 2(-0.925,-2.775) 2(3.925,2.775) 2(3.925,-2.775)
  rrect 9.4x10.8 smd: 2(1.5,0)
TO-263-3_TabPin2
  rrect 4.6x1.1 smd: 1(-7.65,2.54) 2(-7.65,0) 3(-7.65,-2.54)
  rrect 4.55x5.25 smd: 2(-0.925,2.775) 2(-0.925,-2.775) 2(3.925,2.775) 2(3.925,-2.775)
  rrect 9.4x10.8 smd: 2(1.5,0)
WSON-16-1EP_5.0x5.0mm_P0.5mm_EP2.6x2.6mm
  rect 1.05x1.05 smd: (-0.8,-0.8) (-0.65,0.65) (0.65,0.65) (0.65,-0.65)
  rect 0.6x0.25 smd: 1(-2.2,1.5) 2(-2.2,1) 3(-2.2,0.5) 4(-2.2,0) 5(-2.2,-0.5) 6(-2.2,-1) 7(-2.2,-1.5) 8(-2.2,-2) 9(2.2,-2) 10(2.2,-1.5) 11(2.2,-1) 12(2.2,-0.5) 13(2.2,0) 14(2.2,0.5) 15(2.2,1) 16(2.2,1.5)
  rect 3.2x4 smd: DAP(0,-0.3)

## Nets
+5VA: C207.1 C208.1 J1.2 J101.8 J102.8 J103.8 J104.8 J105.8 J106.8 J107.8 J108.8 J117.11 J117.18 J117.30 J117.31 J117.39 J117.42 J117.47 J117.54 J117.63 L202.2 TP203.1
+6V: C1.2 C210.1 C211.1 C303.1 C304.2 C308.1 C309.2 C401.2 C402.2 C403.2 C404.2 C405.1 C406.2 C407.2 C408.1 C409.2 C410.2 C411.1 C412.2 C413.2 C414.1 C415.2 C416.2 C417.1 C418.2 C419.2 J1.3 L203.2 R105.2 R302.2 R306.2 R308.2 TP204.1 U2.11 U301.4 U301.8 U302.4 U302.8 U401.4 U401.5 U401.9 U401.10 U401.12 U401.13 U401.14 U402.14 U403.14 U404.16 U405.14 U406.16 U407.14 U408.4 U409.4 U410.4 U411.4 U412.4 U413.4 U414.4 U415.4 U416.4 U417.4 U418.4 U419.4
+12V: C201.1 C202.1 D202.1 J1.6 Q201.3 R203.2 U201.14 U202.1
/Power Supply/5VA Unfiltered: C205.1 C206.1 D205.2 J1.4 L201.2 L202.1 U201.8
